# KiCad board ulx4m.kicad_pcb (continued)
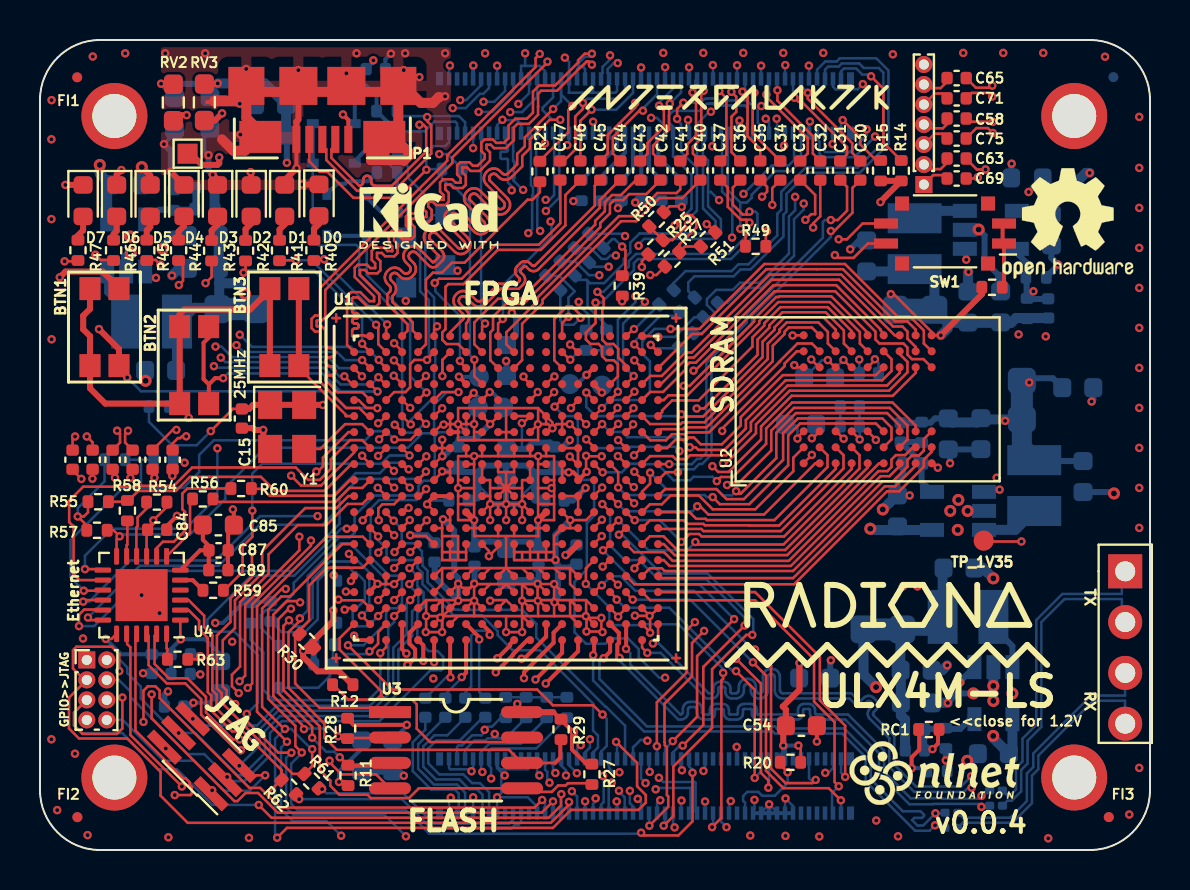
[diagram p0: board, top side]
## Routing (per net, layer and track width the routed paths; a pad name or vN(x,y) marks a point on that pad's centre or on a via; arc(x,y) is an arc through that point) (continued)
PCIe_TX_N: length 34.9
  Top w0.127: C72.2 6.64,21 v3(6.82,21)
  In2signal.Cu w0.127: v3(23.51,36.89) 23.66,36.75 23.66,34.07 19.27,29.69 18.88,29.69 15.08,25.88 14.87,25.68 14.84,25.63 14.81,25.58 14.8,25.53 14.8,25.47 14.81,25.41 14.84,25.36 14.87,25.32 14.98,25.22 14.98,25.21 14.98,25.21 14.78,25.01 14.77,25.01 14.77,25.01 14.67,25.11 14.62,25.15 14.57,25.17 14.52,25.19 14.46,25.19 14.41,25.17 14.35,25.15 14.31,25.11 14.28,25.09 14.23,25.02 14.19,24.94 14.17,24.86 14.17,24.77 14.19,24.69 14.23,24.61 14.28,24.55 14.59,24.24 14.61,24.22 14.62,24.19 14.63,24.16 14.63,24.12 14.62,24.09 14.61,24.06 14.59,24.04 14.56,24.02 14.53,24 14.5,24 14.47,24 14.44,24 14.41,24.02 14.38,24.04 14.08,24.34 14.01,24.39 13.93,24.43 13.85,24.45 13.77,24.45 13.68,24.43 13.61,24.39 13.54,24.34 13.51,24.31 13.45,24.24 13.42,24.16 13.4,24.08 13.4,24 13.42,23.91 13.45,23.84 13.51,23.77 13.95,23.32 13.97,23.3 13.98,23.27 13.99,23.24 13.99,23.21 13.98,23.17 13.97,23.14 13.95,23.12 13.92,23.1 13.9,23.08 13.86,23.08 13.83,23.08 13.8,23.08 13.77,23.1 13.74,23.12 13.3,23.56 13.23,23.62 13.16,23.65 13.07,23.67 12.99,23.67 12.9,23.65 12.83,23.62 12.76,23.56 12.73,23.53 12.67,23.46 12.64,23.39 12.62,23.3 12.62,23.22 12.64,23.13 12.67,23.06 12.73,22.99 13.17,22.55 13.19,22.52 13.21,22.49 13.21,22.46 13.21,22.43 13.21,22.4 13.19,22.37 13.17,22.34 13.15,22.32 13.12,22.31 13.09,22.3 13.05,22.3 13.02,22.31 12.99,22.32 12.97,22.34 12.52,22.79 12.45,22.84 12.38,22.88 12.29,22.89 12.21,22.89 12.13,22.88 12.05,22.84 11.98,22.79 10.82,21.62 8.24,21.62 7.7,21.08 7.12,21.08 7.04,21 v3(6.82,21)
  Bottom w0.127: 24.86,38.4 24.86,37.65 24.11,36.89 v3(23.51,36.89)
PCIe_TX_P: length 34.6
  Top w0.127: v3(7.31,20.68) 7.1,20.68 7.01,20.59 6.9,20.59 6.63,20.32 C55.1
  In2signal.Cu w0.127: v3(23.92,37.3) 23.92,36.12 24.07,35.97 24.27,35.97 24.42,35.82 24.27,35.67 24.07,35.67 23.92,35.52 23.92,33.98 19.88,29.93 19.88,29.92 19.38,29.42 18.99,29.42 15.07,25.5 15.06,25.49 15.07,25.49 15.17,25.39 15.2,25.34 15.23,25.29 15.24,25.24 15.24,25.18 15.23,25.13 15.2,25.08 15.17,25.03 14.95,24.82 14.91,24.78 14.86,24.76 14.8,24.74 14.75,24.74 14.69,24.76 14.64,24.78 14.6,24.82 14.5,24.92 14.49,24.92 14.48,24.92 14.46,24.89 14.45,24.86 14.44,24.83 14.44,24.8 14.45,24.77 14.46,24.74 14.48,24.71 14.79,24.41 14.84,24.34 14.88,24.27 14.9,24.18 14.9,24.1 14.88,24.01 14.84,23.94 14.79,23.87 14.75,23.84 14.69,23.78 14.61,23.75 14.53,23.73 14.44,23.73 14.36,23.75 14.28,23.78 14.21,23.84 13.91,24.14 13.89,24.16 13.86,24.18 13.82,24.18 13.79,24.18 13.76,24.18 13.73,24.16 13.7,24.14 13.68,24.12 13.67,24.09 13.66,24.05 13.66,24.02 13.67,23.99 13.68,23.96 13.7,23.94 14.15,23.49 14.2,23.42 14.24,23.35 14.26,23.26 14.26,23.18 14.24,23.1 14.2,23.02 14.15,22.95 14.12,22.92 14.05,22.87 13.97,22.83 13.89,22.81 13.8,22.81 13.72,22.83 13.64,22.87 13.58,22.92 13.13,23.36 13.11,23.38 13.08,23.4 13.05,23.41 13.01,23.41 12.98,23.4 12.95,23.38 12.93,23.36 12.91,23.34 12.89,23.31 12.89,23.28 12.89,23.24 12.89,23.21 12.91,23.18 12.93,23.16 13.37,22.71 13.42,22.65 13.46,22.57 13.48,22.49 13.48,22.4 13.46,22.32 13.42,22.24 13.37,22.17 13.34,22.14 13.27,22.09 13.2,22.05 13.11,22.03 13.03,22.03 12.94,22.05 12.87,22.09 12.8,22.14 12.36,22.59 12.33,22.61 12.3,22.62 12.27,22.63 12.24,22.63 12.2,22.62 12.17,22.61 12.15,22.59 10.93,21.37 9.23,21.37 9.06,21.19 8.93,21.19 8.76,21.37 8.35,21.37 7.76,20.78 7.4,20.78 v3(7.31,20.68)
  Bottom w0.127: J2.22 24.46,37.84 v3(23.92,37.3)
PWRBTn: length 20.8
  Top w0.2: v3(21.69,22.85) 21.33,22.49 U1.E8
  Bottom w0.127: 15.73,15.84 15.73,15.86 ; 15.73,15.86 15.73,16.71 16.74,17.72 18.7,17.72 18.93,17.95 18.93,18.2 18.94,18.2 19.2,18.46 19.55,18.46 19.74,18.65 19.74,20.67 19.96,20.89 21.06,20.89 21.33,21.15 21.33,21.57 TP_E8.1 ; 15.73,15.86 15.5,15.63 14.97,15.63 12.69,13.35 12.69,12.81 11.87,11.99 11.3,11.99 11.05,11.74 11.05,11.11 D28.1
  Bottom w0.2: v3(21.69,22.85) 21.9,22.64 TP_E8.1
RGMII_REF_CLK: length 22.6
  Top w0.127: U1.H2 16.11,20.49 15.5,20.49 14.55,19.54 14.55,19.06 13.99,18.5 13.41,18.5 12.79,19.12 7.61,19.12 6.69,18.21 4.8,18.21 4.76,18.16 2.16,18.16 1.46,17.46 1.46,16.39 1.65,16.2 1.68,16.2 1.68,13.79 1.98,13.49 U4.14
RGMII_RX_DV: length 13.6
  Top w0.127: R55.2 4.31,17.41 R58.1 4.43,17.47 4.91,17.95 6.8,17.95 7.5,18.65 8.47,18.65 8.47,18.66 11.05,18.66 11.75,17.95 14.23,17.95 15.57,19.29 U1.J1
RGMII_RXD0: length 5.6
  Top w0.127: R60.2 10.59,18.05 11.14,18.05 11.48,17.71 14.72,17.71 15.5,18.49 U1.K1
RGMII_RXD1: length 8.4
  Top w0.127: R56.2 8.8,17.4 14.77,17.4 15.47,18.1 16.12,18.1 U1.K2
RGMII_TX_CLK: length 15.2
  Top w0.127: v3(10.62,16.97) 10.62,16.97 10.62,15.66 10.13,15.17 10.13,13.9 9.21,12.98 R59.2 ; v3(18.48,19.72) U1.H4
  Bottom w0.127: v3(10.62,16.97) 10.62,18.82 11.11,19.31 17.07,19.31 17.48,19.72 v3(18.48,19.72)
RGMII_TX_EN: length 19.8
  Top w0.127: U4.16 2.24,12.49 v3(2.16,12.42) ; v3(17.71,18.11) 17.69,18.11 U1.K3
  In2signal.Cu w0.127: v3(17.71,18.11) 17.42,18.11 17.05,18.48 15.67,18.48 v3(13.88,16.69)
  Bottom w0.127: v3(13.88,16.69) 11.01,16.69 8.79,14.47 4.51,14.47 2.46,12.42 v3(2.16,12.42)
RGMII_TXD0: length 23.8
  Top w0.127: v3(19.3,18.92) 19.3,18.88 U1.K5 ; v3(1.95,11.19) 1.95,11.76 2.21,12.02 3.12,12.02 U4.17
  Bottom w0.127: v3(1.95,11.19) 2.71,11.19 5.47,13.95 12.62,13.95 14.98,16.31 14.98,17.6 15.93,18.55 18.93,18.55 v3(19.3,18.92)
RGMII_TXD1: length 21.2
  Top w0.127: U1.J4 18.37,19.04 v3(18.44,19.04) ; U4.18 2.53,11.49 v3(2.4,11.62)
  Bottom w0.127: v3(18.44,19.04) 18.11,19.36 17.52,19.36 17,18.84 15.79,18.84 14.67,17.72 14.67,16.79 14.14,16.26 10.99,16.26 8.94,14.21 4.99,14.21 v3(2.4,11.62)
RUN_PG: length 20.1
  Top w0.127: v3(38.79,3.5) 38.63,3.34 37.28,3.34 36.56,4.07 36.56,9.22 v3(35.76,10.02) ; v3(28.1,13.24) 28.05,13.24 U1.U16
  Bottom w0.127: v3(35.76,10.02) 35.64,10.02 32.71,12.95 29.78,12.95 29.05,13.68 28.54,13.68 v3(28.1,13.24) ; v3(38.79,3.5) 38.78,3.49 38.56,3.49 38.46,3.59 J1.92
SCL0: length 14.8
  Top w0.127: v3(34.81,8.94) 35.74,8.02 v3(35.74,3.6) ; U1.U17 28.84,12.56 v3(28.84,12.52)
  Bottom w0.127: J1.80 36.06,3.92 v3(35.74,3.6) ; v3(34.81,8.94) 34.64,8.94 31.47,12.11 29.25,12.11 v3(28.84,12.52)
SD_CLK: length 45.5
  Top w0.127: v3(12.57,4.86) 11.92,4.86 10.37,6.41 10.04,6.41 9.09,7.36 9.09,7.84 8.85,8.08 8.85,10.72 9.52,11.4 9.52,12.58 10.6,13.66 v3(10.6,14.93) ; v3(13.82,18.92) 13.84,18.9 13.87,18.9 14.15,19.18 14.15,19.61 15.43,20.89 U1.G1
  In2signal.Cu w0.127: v3(10.6,14.93) 10.6,15.66 13.82,18.88 v3(13.82,18.92) ; v3(31.74,1.13) 31.74,1.3 31.44,1.59 30.2,1.59 29.39,0.78 18.4,0.78 v3(18.3,0.68)
  Bottom w0.127: J1.57 31.66,1.21 v3(31.74,1.13) ; v3(12.57,4.86) 12.31,4.6 12.31,2.84 12.31,2.13 12.69,1.75 17.24,1.75 v3(18.3,0.68)
SD_CMD: length 40.5
  Top w0.127: v3(13.09,4.87) 12.77,5.19 12.77,6.2 11.41,7.56 11.41,12.02 12.07,12.67 12.5,12.67 15.12,15.29 U1.P1 ; v3(32.63,3.86) 32.63,1.44 31.93,0.73 30.19,0.73 v3(30.06,0.86)
  Bottom w0.127: v3(13.09,4.87) 13.09,4.84 12.56,4.32 12.56,2.3 12.87,2 18.29,2 19.47,0.82 30.01,0.82 v3(30.06,0.86) ; v3(32.63,3.86) 32.63,4.01 32.46,4.18 J1.62
SD_D0: length 28.7
  Top w0.127: v3(26.51,25.27) 26.89,24.89 U1.B15
  In2signal.Cu w0.127: v3(26.51,25.27) 25.95,24.71 25.95,24.41 26.4,23.96 26.4,22.56 26.39,22.56 26.13,22.31 26.13,21.49 26.04,21.4 26.04,16.27 27.2,15.11 27.2,14.01 27.7,13.51 27.7,12.61 28.48,11.82 28.48,11.44 28.67,11.25 29.05,11.25 29.97,10.33 29.97,9.03 29.97,9.03 29.97,4.9 30.35,4.52 30.57,4.52 30.95,4.15 v3(30.95,3.61)
  Bottom w0.127: v3(30.95,3.61) 31.16,3.4 32.74,3.4 32.78,3.36 32.78,1.92 J1.63
SD_D1: length 19.4
  Top w0.127: v3(33.61,1.15) 34.07,1.61 34.07,8.47 34.16,8.56 v3(34.16,8.86) ; v3(27.3,13.31) 27.3,13.31 27.3,14.09 U1.R16
  Bottom w0.127: v3(33.61,1.15) 33.66,1.19 J1.67 ; v3(34.16,8.86) 34.16,9.05 31.93,11.28 30.17,11.28 30.13,11.24 28.53,11.24 28.47,11.3 28.47,12.13 v3(27.3,13.31)
SD_D2: length 29
  Top w0.127: U1.E14 26.06,22.49 v3(25.73,22.16)
  In2signal.Cu w0.127: v3(34.33,1.14) 34.12,1.35 34.12,5.75 v3(31.26,8.61)
  Bottom w0.127: v3(31.26,8.61) 30.96,8.61 29.94,9.64 29.94,10.04 29.41,10.58 28.56,10.58 28.29,10.31 27.3,10.31 26.73,10.88 26.73,13.41 27.35,14.03 27.35,16.35 27.71,16.71 27.71,18.33 27.53,18.51 27.14,18.51 26.9,18.76 26.9,21.49 26.69,21.7 26.2,21.7 v3(25.73,22.16) ; J1.69 34.06,1.42 v3(34.33,1.14)
SD_D3: length 41.7
  Top w0.127: v3(12.35,5.41) 10.85,6.91 10.85,12.18 14.34,15.66 16.14,15.66 U1.P2
  In2signal.Cu w0.127: v3(15.06,0.71) 15.42,1.07 29.29,1.07 30.62,2.4 30.62,2.68 30.79,2.85 v3(30.79,3.04)
  Bottom w0.127: v3(12.35,5.41) 12.05,5.12 12.05,2.02 12.62,1.45 14.32,1.45 v3(15.06,0.71) ; v3(30.79,3.04) 30.86,3.1 32.53,3.1 32.53,3.1 32.53,1.92 J1.61
SD_PWR_ON: length 29.5
  Top w0.127: R20.1 37.02,4.26 v3(37.39,3.89) ; U1.E15 26.55,22.14 v3(26.55,22.1)
  In2signal.Cu w0.127: v3(26.55,22.1) 26.9,21.75 26.9,18.33 26.67,18.1 26.67,17.06 27.14,16.59 27.14,15.59 27.48,15.25 27.48,14.2 27.97,13.71 28.25,13.71 28.5,13.46 28.5,12.77 28.44,12.71 28.44,12.35 28.72,12.06 29.09,12.06 29.35,11.81 29.35,11.43 29.51,11.27 30.83,11.27 36.05,6.05 36.05,4.93 37.09,3.89 v3(37.39,3.89)
  Bottom w0.127: v3(37.39,3.89) 37.39,3.35 36.75,2.71 36.11,2.71 35.92,2.9 35.37,2.9 35.16,2.7 35.16,2.45 35.26,2.36 J1.75
SDA0: length 16.6
  Top w0.127: v3(28.9,13.26) 28.51,13.65 U1.T17 28.51,13.66 ; v3(34.81,9.56) 36.05,8.32 36.05,3.85 36.42,3.48 v3(36.42,3.12)
  In2signal.Cu w0.127: v3(34.81,9.56) 33.21,9.56 29.81,12.96 29.2,12.96 v3(28.9,13.26)
  Bottom w0.127: v3(36.42,3.12) 36.46,3.15 J1.82
SDRAM_A0: length 20.6
  Top w0.127: 27.71,20.14 U1.H16 27.71,20.14 ; 27.71,20.14 v3(27.31,20.53) ; v3(33.63,19.19) 33.91,18.9 34.44,18.9 36.06,20.52 36.06,21.18 37.59,22.71 42.65,22.71 43.79,23.85 U2.H7
  In2signal.Cu w0.127: v3(33.63,19.19) 32.73,19.19 v3(31.98,19.95)
  Bottom w0.127: v3(27.31,20.53) 27.75,20.09 29.49,20.09 29.55,20.16 31.76,20.16 v3(31.98,19.95)
SDRAM_A1: length 17.9
  Top w0.127: U1.D19 30.52,23.7 31.1,23.7 32.27,24.87 32.59,24.87 36.49,28.77 40.07,28.77 42.66,26.18 43.13,26.18 43.38,25.92 43.38,25.57 43.79,25.16 U2.H8
SDRAM_A2: length 24.3
  Top w0.127: v3(31.53,26.05) 32.98,26.05 36.22,29.3 40.26,29.3 42.87,26.68 43.49,26.68 44.2,25.98 44.2,25.33 U2.J8 ; U1.F16 28.1,22.08 v3(28.1,22.09)
  Bottom w0.127: v3(31.53,26.05) 30.73,26.05 30.15,25.47 30.15,25.44 30.12,25.41 30.12,24.81 30.5,24.43 30.5,22.89 30.1,22.5 29.34,22.5 29.33,22.5 28.51,22.5 v3(28.1,22.09)
SDRAM_A3: length 19.6
  Top w0.127: v3(29.73,22.92) 29.73,22.91 U1.E18 ; U2.J7 44.18,24.54 43.6,24.54 43.38,24.77 43.38,25.12 43.18,25.33 41.98,25.33 41.78,25.52 41.78,25.92 39.77,27.94 36.73,27.94 32.76,23.97 v3(32.68,23.97)
  In2signal.Cu w0.127: v3(32.68,23.97) 30.78,23.97 v3(29.73,22.92)
SDRAM_A4: length 18.1
  Top w0.127: U2.J3 44.2,20.54 44.2,19.97 43.96,19.73 43.6,19.73 43.38,19.5 43.38,19.16 42.65,18.44 42.14,18.44 37.65,13.95 31.23,13.95 31.1,14.09 30.5,14.09 U1.T19
SDRAM_A5: length 18.6
  Top w0.127: U2.J2 44.59,19.91 44.2,19.52 44.2,19.17 42.96,17.93 42.35,17.93 37.71,13.29 29.72,13.29 U1.T18
SDRAM_A6: length 19.8
  Top w0.127: U2.H3 43.79,21.22 42.63,22.37 37.62,22.37 36.31,21.07 36.31,20.31 34.66,18.65 34.05,18.65 v3(33.85,18.45) ; v3(28.14,18.88) 28.12,18.88 U1.J16
  Bottom w0.127: v3(33.85,18.45) 33.63,18.66 32.68,18.66 32.51,18.49 31.68,18.49 30.88,19.29 29.94,19.29 29.91,19.31 29.53,19.31 29.1,18.88 v3(28.14,18.88)
SDRAM_A7: length 17.4
  Top w0.127: U1.P18 29.71,14.89 31.21,14.89 31.64,14.46 37.44,14.46 41.93,18.94 42.38,18.94 42.58,19.15 42.58,19.52 42.8,19.74 43.26,19.74 43.65,20.13 U2.H2
SDRAM_A8: length 15.4
  Top w0.127: U2.H1 43.79,19.21 42.76,18.18 42.25,18.18 37.66,13.59 31.01,13.59 U1.T20
SDRAM_A9: length 17.4
  Top w0.127: v3(34.81,17.94) 34.94,17.81 35.04,17.81 36.82,19.6 36.82,20.86 37.8,21.84 42.36,21.84 42.99,21.22 U2.G3 ; v3(30.51,18.86) 30.51,18.32 30.11,17.92 U1.L19
  Bottom w0.127: v3(30.51,18.86) 31.33,18.05 33.81,18.05 34.12,17.73 34.6,17.73 v3(34.81,17.94)
SDRAM_A10: length 16.5
  Top w0.127: U2.H9 43.79,26.02 43.38,26.43 42.76,26.43 40.15,29.04 36.33,29.04 33.09,25.8 32.62,25.8 U1.C20
SDRAM_A11: length 18.5
  Top w0.127: v3(34.36,18.25) 34.48,18.36 34.96,18.36 36.57,19.97 36.57,20.97 37.7,22.1 42.5,22.1 43.38,21.22 43.38,20.53 U2.G2 ; v3(29.72,18.91) 30.11,18.52 U1.K19
  In2signal.Cu w0.127: v3(34.36,18.25) 34.16,18.04 30.59,18.04 v3(29.72,18.91)
SDRAM_A12: length 14.4
  Top w0.127: U1.R20 31.19,14.49 31.48,14.2 37.55,14.2 42.04,18.69 42.48,18.69 42.99,19.2 U2.G1
SDRAM_BA0: length 15.4
  Top w0.127: U2.G7 42.99,23.85 42.36,23.22 37.39,23.22 35.55,21.39 35.55,20.97 34.32,19.73 32.5,19.73 32.31,19.54 31.79,19.54 31.64,19.69 30.51,19.69 U1.J19
SDRAM_BA1: length 21.4
  Top w0.127: U1.L16 27.71,17.72 v3(28.11,18.12) ; U2.G8 42.99,24.8 43.38,24.41 43.38,23.88 42.46,22.96 37.49,22.96 35.81,21.28 35.81,20.84 34.29,19.33 v3(34.15,19.33)
  In2signal.Cu w0.127: v3(28.11,18.12) 29.3,19.31 29.3,19.92 29.31,19.92 29.53,20.13 31.17,20.13 31.17,20.22 31.85,20.9 32.58,20.9 v3(34.15,19.33)
SDRAM_CKE: length 17.7
  Top w0.127: U2.F3 41.8,21.33 38.01,21.33 37.42,20.73 37.42,19.24 35.46,17.29 34,17.29 v3(33.64,17.64) ; U1.J17 28.91,18.89 v3(28.91,18.13)
  Bottom w0.127: v3(33.64,17.64) 33.34,17.64 33.25,17.74 29.3,17.74 v3(28.91,18.13)
SDRAM_CLK: length 15.8
  Top w0.127: U1.L20 31.26,18.04 33.83,18.04 34.33,17.54 35.2,17.54 37.16,19.51 37.16,20.84 37.9,21.58 42.12,21.58 42.58,21.12 42.58,20.53 U2.F2
SDRAM_D0: length 12.5
  Top w0.127: U1.J18 28.91,19.69 v3(28.9,19.69) ; U2.A8 37.85,24.93 37.24,24.33 37.24,24.2 34.12,21.07 v3(34.12,20.96)
  In2signal.Cu w0.127: v3(34.12,20.96) 33.88,21.19 31.77,21.19 31.18,20.59 29.6,20.59 28.9,19.89 v3(28.9,19.69)
SDRAM_D1: length 10.9
  Top w0.127: U2.B9 38.6,26.13 37.44,26.13 37.24,25.92 37.24,25.8 36.64,25.21 36.64,24.44 33.34,21.13 32.24,21.13 32.15,21.04 31.06,21.04 U1.G20
SDRAM_D2: length 11.2
  Top w0.127: U1.G19 30.52,20.49 31.3,20.49 31.6,20.79 32.25,20.79 32.34,20.88 33.44,20.88 37,24.44 37,24.45 37.88,25.33 38.6,25.33 U2.B8
SDRAM_D3: length 17.2
  Top w0.127: v3(32.07,21.78) 32.18,21.67 33.16,21.67 36.14,24.65 36.14,25.42 36.73,26.01 36.73,26.13 37.23,26.63 39.17,26.63 39.79,26.02 U2.C9 ; v3(27.32,22.87) 27.33,22.87 U1.E16
  Bottom w0.127: 32.05,21.69 32.07,21.71 v3(32.07,21.78) 31.99,21.69 29.11,21.69 29.1,21.7 28.83,21.7 28.82,21.69 27.78,21.69 27.32,22.15 v3(27.32,22.87)
SDRAM_D4: length 13.4
  Top w0.127: U1.F19 30.51,21.3 32.04,21.3 32.13,21.39 33.23,21.39 36.39,24.54 36.39,25.31 36.98,25.91 36.98,26.02 37.34,26.38 38.92,26.38 39.4,25.9 39.4,25.33 U2.C8
SDRAM_D5: length 13
  Top w0.127: U1.F20 31.11,21.89 31.11,21.97 31.62,22.48 32.94,22.48 35.63,25.17 35.63,25.63 36.22,26.22 36.22,26.34 37.02,27.14 39.4,27.14 40.59,25.95 U2.D9
SDRAM_D6: length 16.8
  Top w0.127: U2.D8 40.2,25.33 40.2,25.98 39.29,26.89 37.13,26.89 36.47,26.23 36.47,26.12 35.88,25.52 35.88,24.75 33.2,22.07 v3(32.84,22.07) ; U1.H18 v3(28.91,20.49)
  In2signal.Cu w0.127: v3(32.84,22.07) 32.63,22.28 31.99,22.28 30.56,20.85 29.27,20.85 v3(28.91,20.49)
SDRAM_D7: length 15.6
  Top w0.127: v3(32.19,23.2) 32.49,23.2 35.71,26.43 35.71,26.55 36.81,27.65 36.93,27.65 36.96,27.68 39.57,27.68 41.39,25.87 U2.E9 ; U1.F18 29.68,22.06 v3(29.68,22.1)
  In2signal.Cu w0.127: v3(29.68,22.1) 29.68,22.13 30.85,23.3 32.09,23.3 v3(32.19,23.2)
SDRAM_D8: length 13.6
  Top w0.127: U2.E1 41.39,19.12 37.26,15 31.87,15 31.18,15.69 30.5,15.69 U1.P19
SDRAM_D9: length 16.3
  Top w0.127: v3(32.77,15.4) 32.9,15.27 37.18,15.27 40.98,19.07 40.98,19.74 U2.D2 ; U1.N17 28.9,16.48 v3(28.93,16.48)
  Bottom w0.127: v3(28.93,16.48) 30.43,14.98 32.36,14.98 v3(32.77,15.4)
SDRAM_D10: length 13.8
  Top w0.127: U2.D1 40.59,19.05 37.21,15.67 33.09,15.67 32.97,15.8 32.48,15.8 v3(32.08,15.4) ; 29.7,16.49 29.74,16.49 v3(29.74,16.49) 29.71,16.49 U1.M18
  Bottom w0.127: v3(32.08,15.4) 30.99,16.49 v3(29.74,16.49)
SDRAM_D11: length 11.9
  Top w0.127: U1.N20 30.95,16.05 33.07,16.05 33.18,15.94 37.05,15.94 40.18,19.08 40.18,19.74 U2.C2
SDRAM_D12: length 11.4
  Top w0.127: U1.N19 30.5,16.49 32.19,16.49 32.37,16.31 33.18,16.31 33.25,16.23 35.47,16.23 35.48,16.22 36.96,16.22 39.79,19.05 U2.C1
SDRAM_D13: length 10.9
  Top w0.127: U1.M20 32.48,16.89 32.81,16.56 33.28,16.56 33.35,16.49 36.73,16.49 39.38,19.15 39.38,19.74 U2.B2
SDRAM_D14: length 10.4
  Top w0.127: U2.A2 37.67,19.61 37.67,18.93 35.77,17.03 33.64,17.03 32.95,17.72 31.54,17.72 31.1,17.29 30.5,17.29 U1.M19
SDRAM_D15: length 12.1
  Top w0.127: U2.B1 38.77,19.33 36.21,16.77 33.42,16.77 33.01,17.18 v3(32.87,17.18) ; U1.L17 v3(28.91,17.3)
  Bottom w0.127: v3(32.87,17.18) 32.62,16.94 29.27,16.94 v3(28.91,17.3)
SDRAM_DQM0: length 13.9
  Top w0.127: U1.E20 31.19,22.49 31.43,22.73 32.38,22.73 35.97,26.33 35.97,26.44 36.92,27.4 39.5,27.4 41,25.9 41,25.33 U2.E8
SDRAM_DQM1: length 13.4
  Top w0.127: U1.P20 31.19,15.29 31.74,14.74 37.37,14.74 41.96,19.33 U2.F1
SDRAM_nCAS: length 13.5
  Top w0.127: U1.H20 31.36,20.09 31.78,20.51 32.34,20.51 32.45,20.62 32.7,20.62 33.04,20.28 34.1,20.28 35.04,21.23 35.04,21.64 37.15,23.74 41.8,23.74 U2.F7
SDRAM_nCS: length 15.4
  Top w0.127: U1.D20 31.05,23.29 32.38,24.62 32.7,24.62 36.59,28.51 39.96,28.51 42.74,25.73 U2.G9
SDRAM_nRAS: length 18.6
  Top w0.127: v3(32.49,20.14) 32.79,20.14 32.92,20 34.23,20 35.3,21.07 35.3,21.49 37.29,23.48 42.12,23.48 42.58,23.95 42.58,24.54 U2.F8 ; U1.G16 v3(28.11,21.29)
  Bottom w0.127: v3(32.49,20.14) 31.99,20.64 29.37,20.64 29.1,20.9 28.5,20.9 v3(28.11,21.29)
SDRAM_nWE: length 15.7
  Top w0.127: U1.E19 30.52,22.9 31.16,22.9 32.28,24.03 32.28,24.17 32.48,24.37 32.8,24.37 36.67,28.24 39.82,28.24 42.03,26.03 42.03,25.98 42.19,25.82 U2.F9
SRCLK1N: length 1.4
  Top w0.127: J5.1 44.67,33.74 45.19,33.74 C69.2
SRCLK1P: length 1.6
  Top w0.127: C63.1 45.36,34.36 45.04,34.04 44.43,34.04 J5.2
SRX11N: length 1.5
  Top w0.127: C71.2 45.12,37.82 44.75,37.82 J5.5
SRX11P: length 1.5
  Top w0.127: J5.6 44.38,38.09 45.04,38.09 45.36,38.41 C65.1
STX11N: length 1.5
  Top w0.127: J5.3 44.74,35.81 45.12,35.81 C75.2
STX11P: length 1.6
  Top w0.127: J5.4 44.39,36.08 45.15,36.08 45.36,36.29 C58.1
SW1: length 24.2
  Top w0.127: SW1.4 41.4,30.32 40.68,29.6 39.89,29.6 v3(39.75,29.74) ; U1.L18 29.35,17.69 v3(29.71,17.34)
  In2signal.Cu w0.127: v3(39.75,29.74) 39.53,29.74 35.82,26.03 35.82,17.44 35.07,16.69 32.37,16.69 31.73,17.34 v3(29.71,17.34)
SW2: length 24.4
  Top w0.127: SW1.3 41.14,31.32 40.35,30.53 v3(39.94,30.53) ; U1.K18 29.66,18.14 v3(29.7,18.14)
  In2signal.Cu w0.127: v3(39.94,30.53) 35.57,26.16 35.57,17.61 35.1,17.14 33.49,17.14 33.02,17.61 30.23,17.61 v3(29.7,18.14)
US2_ID: length 23.1
  Top w0.127: 13.47,35.23 13.47,34.43 13.99,33.91 14.38,33.91 15.67,32.61 17.92,32.61 v3(19.32,34.01) ; U1.D9 21.72,23.69 v3(21.72,24.51)
  Bottom w0.127: v3(21.72,24.51) 21.5,24.74 21.5,32.38 20.58,33.29 20.38,33.29 20.1,33.57 R19.1 19.36,34.04 v3(19.32,34.01) 19.32,34.85 19.67,35.2 20.27,35.2 20.46,35.39 J2.1
USB_FPGA_D+: length 23.1
  Top w0.127: v3(18.54,21.28) 18.52,21.28 U1.F4 ; v3(19.86,26.18) 19.71,26.04 U1.A6
  Bottom w0.127: v3(18.54,21.28) 18.54,21.49 19.73,22.68 19.73,22.99 19.71,23.01 19.71,23.89 19.77,23.95 19.77,26.1 v3(19.86,26.18) 19.71,26.33 19.71,27.62 19.27,28.06 19.27,31.37 19.64,31.74 D8.1 18.4,33.61 18.4,34.17 17.87,34.7 R5.2 17.87,35.14 17.36,35.65 17.36,36.04
  Bottom w0.2: R4.2 15.38,38.38 16.13,38.38 16.83,37.69 R2.2 17.36,36.41 17.36,36.04
USB_FPGA_D-: length 16.7
  Top w0.127: U1.E3 17.71,22.89 18.27,22.89 18.51,23.13 18.51,24.29 18.72,24.5 v3(19.36,24.5) 19.36,24.54 U1.B6
  Bottom w0.127: R6.2 18.36,32.38 18.36,30.68 D9.1 19.01,29.92 19.01,27.93 19.45,27.49 19.45,24.6 v3(19.36,24.5) ; R7.2 17.31,34.43 17.31,35.34 16.84,35.82 R1.2
  Bottom w0.2: R6.2 17.85,33.86 R7.2
USB_FPGA_PULL_D+: length 20.3
  Top w0.127: U1.F5 19.3,21.3 v3(19.3,21.3)
  Bottom w0.127: D11.1 13.64,30.55 13.97,30.21 14.73,30.21 14.77,30.25 15.81,30.25 15.96,30.1 15.96,28.75 18.11,26.6 18.11,21.51 18.14,21.48 18.14,20.88 18.15,20.86 18.76,20.86 19.2,21.3 v3(19.3,21.3)
  Bottom w0.2: D11.1 D10.2
USB_FPGA_PULL_D-: length 11.6
  Top w0.127: U1.E5 19.29,22.87 v3(19.33,22.87)
  Bottom w0.127: D12.2 16.34,30.67 16.34,28.75 18.51,26.58 18.51,23.69 v3(19.33,22.87)
  Bottom w0.2: D12.2 16.31,30.7 D13.1
USB_N: length 13.2
  Top w0.127: 14.77,35.23 14.57,35.03 14.57,34.6 15.96,33.21 16.01,33.22 16.05,33.23 16.09,33.26 16.12,33.29 16.14,33.33 16.16,33.37 16.16,33.41 16.16,33.51 16.17,33.56 16.18,33.6 16.21,33.64 16.24,33.67 16.28,33.69 16.32,33.71 16.36,33.71 16.41,33.71 16.45,33.69 16.49,33.67 16.52,33.64 16.54,33.6 16.56,33.56 16.56,33.51 16.56,33.41 16.57,33.37 16.58,33.33 16.61,33.29 16.64,33.26 16.68,33.23 16.72,33.22 16.76,33.21 17.6,33.21 19.31,34.93 19.31,36.13 19.18,36.26 v3(18.97,36.26)
  Bottom w0.127: 18.93,35.93 R1.1 ; 18.93,35.93 19.24,35.93 19.72,36.41 20.77,36.41 20.86,36.33 20.86,35.69 ; 18.93,35.93 18.97,35.98 v3(18.97,36.26)
USB_P: length 13.7
  Top w0.127: 14.12,35.23 14.32,35.03 14.32,34.5 15.86,32.96 17.7,32.96 19.57,34.82 19.57,36.23 19.36,36.44 v3(19.36,36.65)
  Bottom w0.127: R2.1 18.1,36.69 20.95,36.69 21.26,36.39 21.26,35.69
USER_PROGRAMN: length 6.9
  Top w0.127: v2(18.43,17.1) 18.22,16.89 U1.M4
  In2signal.Cu w0.127: v2(18.43,17.1) 17.6,17.1 17.33,16.83 17.33,16.6 17.32,16.58 17.32,16.43 17.31,16.42 17.31,15.46 17.12,15.27 15.27,15.27 15.03,15.03 15.03,14.07 v2(14.69,13.73)
Net-(BTN1-Pad1): length 25.6
  Top w0.127: v2(7.44,21.6) 7.44,21.86 6.98,22.32
  Top w0.3: BTN1.1 2.5,27.05 2.16,26.71 2.16,26.03 2.5,25.69 BTN1.1 2.5,23.08 3.27,22.32 6.98,22.32 6.98,26.8 7.21,27.02 10.51,27.02 11.5,28.01 BTN3.1 BTN3.1
  Bottom w0.127: R18.1 6.87,22.17 v2(7.44,21.6)
Net-(R70-Pad2): length 3.2
  Top w0.2: 48.14,31.31 48.14,30.31 ; R70.2 48.21,28.22 SW1.1
Net-(RC1-Pad1): length 2.9
  Top w0.2: v3(43.59,4.09) 43.59,4.63 43.97,5.01 43.97,6.02
  Bottom w0.2: v3(43.59,4.09) 44.23,4.09 44.38,3.94
Net-(U1A-PT13B): length 1.5
  Top w0.2: U1.D8 21.31,23.3 v3(20.95,23.66)
  Bottom w0.2: v3(20.95,23.66) 20.96,23.65 TP_D8.1
Net-(U1A-PT20B): length 1.7
  Top w0.127: U1.E9 22.11,22.51 v3(22.49,22.89)
  Bottom w0.2: v3(22.49,22.89) 22.6,22.89 23.17,22.32 TP_E9.1
Net-(U1B-GR_PCLK1_0): length 11.6
  Top w0.127: U1.D12 24.18,23.63 v3(24.18,23.67)
  In2signal.Cu w0.127: v3(28.8,29.73) 27.47,29.73 25.26,27.51 25.26,26.75 24.62,26.11 24.62,24.11 v3(24.18,23.67)
  Bottom w0.127: v3(28.8,29.73) 28.52,29.73 28.35,29.55 28.08,29.55 27.54,30.09 R26.2
Net-(U1B-GR_PCLK1_1): length 10.3
  Top w0.127: v3(24.89,22.9) 24.89,22.88 U1.E12
  In2signal.Cu w0.127: v3(28.44,29.16) 28.11,29.49 27.63,29.49 25.52,27.39 25.52,26.65 24.89,26.03 v3(24.89,22.9)
  Bottom w0.127: R38.1 27.68,29.16 v3(28.44,29.16)
Net-(U1B-PT80A): length 9.8
  Top w0.127: U1.D13 25.69,23.68 v3(25.73,23.68) ; v3(30.1,29.15) 30.1,29.44 R25.2
  In2signal.Cu w0.127: v3(30.1,29.15) 29.83,29.15 28.26,27.57 28.26,26.91 27.32,25.97 26.15,25.97 25.29,25.11 25.29,24.34 25.73,23.91 v3(25.73,23.68)
Net-(U1B-PT80B): length 10.9
  Top w0.127: U1.E13 v3(25.71,22.89) ; R37.1 30.82,28.75 v3(30.51,28.75)
  In2signal.Cu w0.127: v3(25.71,22.89) 26.13,23.31 26.13,23.85 25.55,24.43 25.55,25.01 26.26,25.72 27.43,25.72 28.51,26.81 28.51,27.47 29.79,28.75 v3(30.51,28.75)
Net-(U1B-PT83A): length 4.3
  Top w0.127: v3(26.43,26.66) 26.11,26.35 U1.A14
  Bottom w0.127: R24.2 25.97,28.7 26.74,27.93 26.43,27.62 v3(26.43,26.66)
Net-(U1B-PT83B): length 7.3
  Top w0.127: U1.C14 25.72,24.49 25.72,26.56 26.34,27.17 26.6,27.17 27.03,26.75 v3(27.03,26.6)
  Bottom w0.127: v3(27.03,26.6) 26.69,26.26 26.24,26.26 26.02,26.48 R36.1
Net-(U1B-PT112A): length 1.5
  Top w0.2: v3(27.33,23.75) 27.67,24.09 U1.C16
  Bottom w0.2: v3(27.33,23.75) 26.87,23.29 TP_C16.1
Net-(U1B-PT112B): length 0.9
  Top w0.2: U1.D16 27.71,23.26 v3(28.1,22.87)
  Bottom w0.2: TP_D16.1 28.11,22.88 v3(28.1,22.87)
Net-(U1B-PT119A): length 2.3
  Top w0.127: U1.A18 29.66,26.05 v3(29.7,26.05)
  Bottom w0.127: R23.2 29.74,26.05 v3(29.7,26.05)
Net-(U1B-PT119B): length 3.6
  Top w0.127: U1.B19 v3(29.72,25.28)
  Bottom w0.127: v3(29.72,25.28) 29.72,25.41 31.02,26.71 31.83,26.71 R35.1
Net-(U1B-PT121A): length 3.5
  Top w0.127: v3(30.92,25.65) 30.88,25.69 U1.A19
  Bottom w0.127: v3(30.92,25.65) 31.75,25.65 32.73,26.63 R22.2
Net-(U1B-PT121B): length 2
  Top w0.127: v3(30.54,25.25) 30.55,25.25 U1.B20
  Bottom w0.127: v3(30.54,25.25) 30.71,25.09 31.9,25.09 R34.1

## Copper pours and planes (outline as drawn; the poured copper is in the pictures)
2V5_3V3 on POWER.Cu: 14.92,22.22 14.99,18.25 20.52,18.33 20.51,20.89 23.11,20.89 23.05,29.77 12.36,29.82 12.22,24.78
+1V1 on POWER.Cu: 23.46,11.94 20.19,8.64 20.72,8.22 32.76,8.47 25.91,15.29 25.91,20.69 20.71,20.69 20.71,15.49 23.51,15.49
+2V5 on POWER.Cu: 20.71,15.29 23.11,15.29 23.15,12.47 22.85,11.85 21.03,9.97 19.53,8.47 13.88,8.47
+2V5 on POWER.Cu: 11.61,24.48 14.73,21.88 14.7,18.31 11.66,18.32
+5V on POWER.Cu: 55.32,0.18 0.19,0.18 0.18,6.12 0.18,9.71 1.17,9.23 4.07,6.24 6.11,6.1 6.42,4.8 9.04,2.79 15.9,2.76 17.87,4.74 18.44,8.09 31.6,8.11 39.25,8.14 42.36,18.42 55.36,18.42
+5V on POWER.Cu: 55.33,40.14 55.3,15.72 50.98,15.72 51.02,18.73 48.7,18.64 48.68,18.91 48.49,20.61 49.42,21.29 49.42,24.33 51.19,24.44 51.28,28.96 40.06,40.03
GND on Top: 20.55,32.84 6.05,32.89 6.05,40.14 20.55,40.13
GND on GND1.Cu: 55.44,0.2 55.33,40.14 0.2,40.18 0.18,0.15
GND on GND2.Cu: 55.42,0.2 55.3,40.14 0.2,40.07 0.24,0.28
CM4_3.3V on POWER.Cu: 0.15,30.45 0.2,13.69 0.2,9.93 0.97,9.92 4.79,6.34 5.62,6.38 6.44,6.32 6.5,5.54 7.01,4.98 9.23,3.07 15.43,3.1 18.32,8.17 13.39,8.25 13.41,9.04 20.29,15.4 20.29,18 11.49,18 11.49,30 23.49,30 23.49,21 26.09,21 26.09,15.6 33.23,8.43 38.94,8.53 42.21,18.6 48.22,18.6 48.22,20.96 49.08,21.39 49,24.62 50.49,24.61 50.84,24.89 50.8,28.99 39.39,40.12 0.22,40.2

## Text on the board
B.Silkscreen: USB | SERDES | PCIe | CAM1 | CAM0 | GPDI1 | Tuned (mm) / --------- / SDRAM - 35 / PCIe - 65 / GPDI0 - 20 / GPDI1 - 20 / CSI0 - 32 / CSI1 - 20 / CLK, S5,S7 - 70 | DISP0 | GPDI0 | DISP1 | GND | TX | CLK | RX | +1.1V | +3.3V | +2.5V | 2.5V | 1.1V | 3.3V | 1.35V
F.Silkscreen: <<close for 1.2V | 25MHz | TX | RX | Ethernet | v0.0.4 | SDRAM | FLASH | FPGA | ULX4M-LS
